# Altium PCB v1.0.PcbDoc (part 1 of 2) (continued)
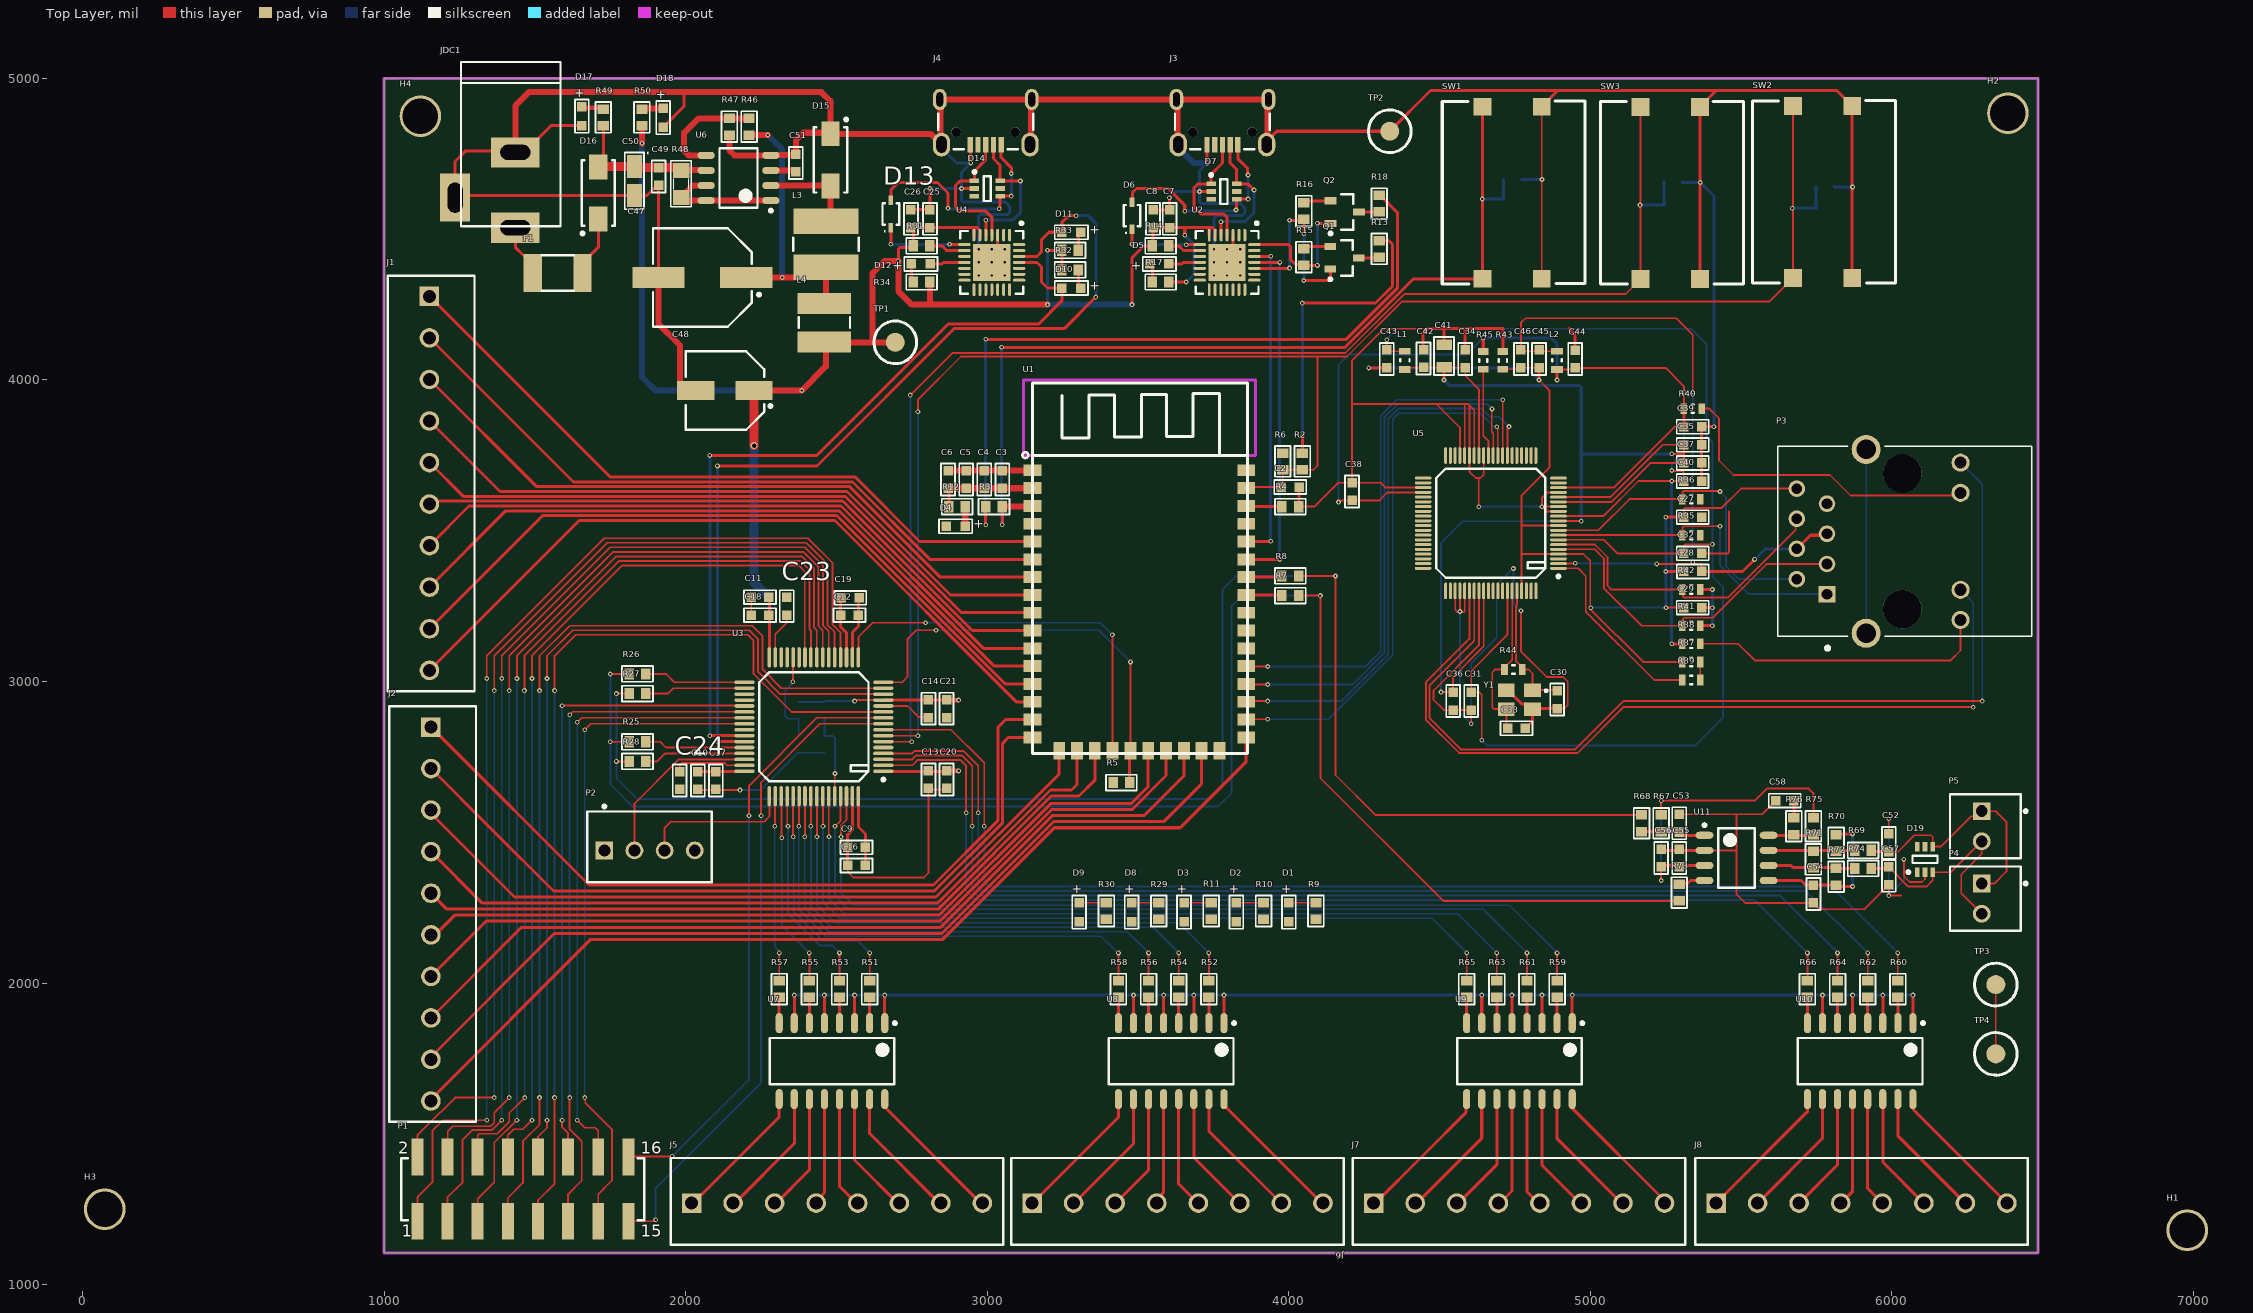
[diagram p0: Top Layer view]
## Components (designator, comment, footprint, x,y, rotation, side; value= is the part's Value field where it differs from the comment) (continued)
R75 "RESISTOR SMD" RES-SM-0603 5740,2520 r270 top value=NC
R76 "RESISTOR SMD" RES-SM-0603 5675,2520 r270 top value=10K
SW1 "Button" "BUTTON 4-PIN SMD" 4839,4335.61 r90 top
SW2 "Button" "BUTTON 4-PIN SMD" 5868.64,4337.96 r90 top
SW3 "Button" "BUTTON 4-PIN SMD" 5363.64,4335.04 r90 top
TP1 "Test point" TP 2695,4125 r0 top
TP2 "Test point" TP 4335,4825 r270 top
TP3 "Test point" TP 6345,1995 r270 top
TP4 "Test point" TP 6345,1765 r270 top
U1 "ESP-12K" CAC-150P3100X1800-41N 3858.66,2814.72 r0 top
U2 "CP2102" QFN50P500X500X90_HS-29N 3795.31,4390 r270 top
U3 "STM32F405RGT6" CQFP50P1150X1150X160-64N 2425,2850 r180 top
U4 "CP2102" QFN50P500X500X90_HS-29N 3015,4390 r270 top
U5 "W5100" CQFP40P1200X1200X160-80N 4670,3525 r180 top
U6 "MC34063AD" SOIC127P600X170-8N 2175,4670 r180 top
U7 "TLP281-4" SOIC127P700X210-16N 2485,1740.98 r270 top
U8 "TLP281-4" SOIC127P700X210-16N 3610,1740.98 r270 top
U9 "TLP281-4" SOIC127P700X210-16N 4765,1740.98 r270 top
U10 "TLP281-4" SOIC127P700X210-16N 5895,1740.98 r270 top
U11 "SN65HVD230" SOIC127P600X175-8N 5485,2415 r0 top
Y1 "25MHz" WE-XTAL_CFPX-180 4765,2940 r180 top

## Footprints (in the part's own frame and the unit in brackets; to place one, negate y for a bottom-side part, rotate by r counter-clockwise, add the part's x,y. Pads: shape width x height; smd on the part's side, far side on the other; paste and mask are expansions set on the pad)
61031621121 [mm] "Pin Header, pitch 2.54 mm, SMD, Vertical, dual row, 16p"
  rect 1x3.1 smd: 1(-8.89,-2.7) 2(-8.89,2.7) 3(-6.35,-2.7) 4(-6.35,2.7) 5(-3.81,-2.7) 6(-3.81,2.7) 7(-1.27,-2.7) 8(-1.27,2.7) 9(1.27,-2.7) 10(1.27,2.7) 11(3.81,-2.7) 12(3.81,2.7) 13(6.35,-2.7) 14(6.35,2.7) 15(8.89,-2.7) 16(8.89,2.7)
  silkscreen extent -10.24,-2.62 10.24,2.62, body extent -10.16,-3.75 10.16,3.75, height 9.62
61900211121 [mm] "2.54mm Male Locking Header, 2p"
  rect 1.5x1.5 hole 1: 1(1.27,0.3)
  round 1.5 hole 1: 2(-1.27,0.3)
  silkscreen extent -2.71,-3.52 2.71,2.98, body extent -2.54,-2.9 2.54,2.9, height 11.53
61900411121 [mm] "2.54mm Male Locking Header, 4p"
  rect 1.5x1.5 hole 1: 1(3.81,0.3)
  round 1.5 hole 1: 2(1.27,0.3) 3(-1.27,0.3) 4(-3.81,0.3)
  silkscreen extent -5.25,-3.52 5.25,2.98, body extent -5.08,-2.9 5.08,2.9, height 11.53
629105150521 [mm] "Micro USB 2.0 SMT Type B Horizontal 5 Contacts High Current"
  rect 0.45x1.3 smd: 1(-1.3,2.9) 2(-0.65,2.9) 3(0,2.9) 4(0.65,2.9) 5(1.3,2.9)
  round 0.8 hole 0.8 unplated: MH1(-2.5,1.85) MH2(2.5,1.85)
  oval 1.15x1.8 hole 0.55 slot 1.2 at 90 deg: Shell(-3.875,-0.9) Shell(3.875,-0.9)
  oval 1.45x2 hole 0.85 slot 1.4 at 90 deg: Shell(-3.725,2.9) Shell(3.725,2.9)
  silkscreen extent -4,0.3 4,3.3, body extent -4,-3.3 4,3.3, height 2.75
691243110008 [mm] "Serie 2431 - 3.50 mm_8 pins"
  rect 1.65x1.65 hole 1.1: 1(-12.25,-0.15)
  round 1.65 hole 1.1: 2(-8.75,-0.15) 3(-5.25,-0.15) 4(-1.75,-0.15) 5(1.75,-0.15) 6(5.25,-0.15) 7(8.75,-0.15) 8(12.25,-0.15)
  silkscreen extent -14,-3.65 14,3.65, body extent -14,-3.65 14,3.65, height 9.15
691243110010 [mm] "Serie 2431 - 3.50 mm_10 pins"
  rect 1.65x1.65 hole 1.1: 1(-15.75,-0.15)
  round 1.65 hole 1.1: 2(-12.25,-0.15) 3(-8.75,-0.15) 4(-5.25,-0.15) 5(-1.75,-0.15) 6(1.75,-0.15) 7(5.25,-0.15) 8(8.75,-0.15) 9(12.25,-0.15) 10(15.75,-0.15)
  silkscreen extent -17.5,-3.65 17.5,3.65, body extent -17.5,-3.65 17.5,3.65, height 9.15
"BUTTON 4-PIN SMD" [mm]
  rect 1.5x1.5 smd: 1(0,0) 1(14.5,0) 2(0,5) 2(14.5,5)
  silkscreen extent -0.43,-3.66 14.96,8.38, body extent -0.41,-3.63 14.96,8.38, height 5
CAC-150P3100X1800-41N [mm] "Chip Array, Concave, 41-Leads, Pitch 1.50mm,  Body 31.00x18.00mm,  IPC Medium Density"
  rect 1.5x1 smd: 1(-18,22.5) 2(-18,21) 3(-18,19.5) 4(-18,18) 5(-18,16.5) 6(-18,15) 7(-18,13.5) 8(-18,12) 9(-18,10.5) 10(-18,9) 11(-18,7.5) 12(-18,6) 13(-18,4.5) 14(-18,3) 15(-18,1.5) 16(-18,0) 27(0,0) 28(0,1.5) 29(0,3) 30(0,4.5) 31(0,6) 32(0,7.5) 33(0,9) 34(0,10.5) 35(0,12) 36(0,13.5) 37(0,15) 38(0,16.5) 39(0,18) 40(0,19.5) 41(0,21) 42(0,22.5)
  rect 1x1.5 smd: 17(-15.75,-1.122) 18(-14.25,-1.122) 19(-12.75,-1.122) 20(-11.25,-1.122) 21(-9.75,-1.122) 22(-8.25,-1.122) 23(-6.75,-1.122) 24(-5.25,-1.122) 25(-3.75,-1.122) 26(-2.25,-1.122)
  silkscreen extent -18.85,-1.35 0.13,29.85, body extent -17.9,-0.95 0.1,30.05, height 3.45
"CAP ALU SIZE D" [mm] "Capacitor, Aluminium Electrolytric, 6.6mm L X 6.6mm W X 5.4mm H, IPC Medium Density"
  rect 3.15x1.6 smd: 1(-2.45,0) 2(2.45,0)
  silkscreen extent -3.95,-3.3 3.3,3.3, body extent -3.9,-3.4 3.9,3.4, height 5.7
"CAP ALU SIZE F" [mm] "Capacitor, Aluminium Electrolytric, 8.3mm L X 8.3mm W X 10.2mm H, IPC Medium Density"
  rect 4.4x1.8 smd: 1(-3.7,0) 2(3.7,0)
  silkscreen extent -4.9,-4.15 4.15,4.15, body extent -4.75,-4.25 5.25,4.25, height 10.2
CAPMP3216X18N [mm] "Molded Capacitor, 2-Leads, Body 3.20x1.60mm, IPC Medium Density"
  rect 1.95x1.25 smd: 1(-1.225,0) 2(1.225,0)
  silkscreen extent -2.41,-0.81 2.39,1.18, body extent -1.92,-0.9 1.92,0.9, height 1.8
CQFP40P1200X1200X160-80N [mm] "CQFP, 80-Leads, Body 12.00x12.00mm, Pitch 0.40mm, IPC Medium Density"
  oval 1.4x0.25 smd: 1(-5.7,3.8) 2(-5.7,3.4) 3(-5.7,3) 4(-5.7,2.6) 5(-5.7,2.2) 6(-5.7,1.8) 7(-5.7,1.4) 8(-5.7,1) 9(-5.7,0.6) 10(-5.7,0.2) 11(-5.7,-0.2) 12(-5.7,-0.6) 13(-5.7,-1) 14(-5.7,-1.4) 15(-5.7,-1.8) 16(-5.7,-2.2) 17(-5.7,-2.6) 18(-5.7,-3) 19(-5.7,-3.4) 20(-5.7,-3.8) 41(5.7,-3.8) 42(5.7,-3.4) 43(5.7,-3) 44(5.7,-2.6) 45(5.7,-2.2) 46(5.7,-1.8) 47(5.7,-1.4) 48(5.7,-1) 49(5.7,-0.6) 50(5.7,-0.2) 51(5.7,0.2) 52(5.7,0.6) 53(5.7,1) 54(5.7,1.4) 55(5.7,1.8) 56(5.7,2.2) 57(5.7,2.6) 58(5.7,3) 59(5.7,3.4) 60(5.7,3.8)
  oval 0.25x1.4 smd: 21(-3.8,-5.7) 22(-3.4,-5.7) 23(-3,-5.7) 24(-2.6,-5.7) 25(-2.2,-5.7) 26(-1.8,-5.7) 27(-1.4,-5.7) 28(-1,-5.7) 29(-0.6,-5.7) 30(-0.2,-5.7) 31(0.2,-5.7) 32(0.6,-5.7) 33(1,-5.7) 34(1.4,-5.7) 35(1.8,-5.7) 36(2.2,-5.7) 37(2.6,-5.7) 38(3,-5.7) 39(3.4,-5.7) 40(3.8,-5.7) 61(3.8,5.7) 62(3.4,5.7) 63(3,5.7) 64(2.6,5.7) 65(2.2,5.7) 66(1.8,5.7) 67(1.4,5.7) 68(1,5.7) 69(0.6,5.7) 70(0.2,5.7) 71(-0.2,5.7) 72(-0.6,5.7) 73(-1,5.7) 74(-1.4,5.7) 75(-1.8,5.7) 76(-2.2,5.7) 77(-2.6,5.7) 78(-3,5.7) 79(-3.4,5.7) 80(-3.8,5.7)
  silkscreen extent -5.82,-4.6 4.6,4.6, body extent -6,-6 6,6, height 1.55
CQFP50P1150X1150X160-64N [mm] "CQFP, 64-Leads, Body 11.50x11.50mm, Pitch 0.50mm, IPC Medium Density"
  oval 1.7x0.3 smd: 1(-5.85,3.75) 2(-5.85,3.25) 3(-5.85,2.75) 4(-5.85,2.25) 5(-5.85,1.75) 6(-5.85,1.25) 7(-5.85,0.75) 8(-5.85,0.25) 9(-5.85,-0.25) 10(-5.85,-0.75) 11(-5.85,-1.25) 12(-5.85,-1.75) 13(-5.85,-2.25) 14(-5.85,-2.75) 15(-5.85,-3.25) 16(-5.85,-3.75) 33(5.85,-3.75) 34(5.85,-3.25) 35(5.85,-2.75) 36(5.85,-2.25) 37(5.85,-1.75) 38(5.85,-1.25) 39(5.85,-0.75) 40(5.85,-0.25) 41(5.85,0.25) 42(5.85,0.75) 43(5.85,1.25) 44(5.85,1.75) 45(5.85,2.25) 46(5.85,2.75) 47(5.85,3.25) 48(5.85,3.75)
  oval 0.3x1.7 smd: 17(-3.75,-5.85) 18(-3.25,-5.85) 19(-2.75,-5.85) 20(-2.25,-5.85) 21(-1.75,-5.85) 22(-1.25,-5.85) 23(-0.75,-5.85) 24(-0.25,-5.85) 25(0.25,-5.85) 26(0.75,-5.85) 27(1.25,-5.85) 28(1.75,-5.85) 29(2.25,-5.85) 30(2.75,-5.85) 31(3.25,-5.85) 32(3.75,-5.85) 49(3.75,5.85) 50(3.25,5.85) 51(2.75,5.85) 52(2.25,5.85) 53(1.75,5.85) 54(1.25,5.85) 55(0.75,5.85) 56(0.25,5.85) 57(-0.25,5.85) 58(-0.75,5.85) 59(-1.25,5.85) 60(-1.75,5.85) 61(-2.25,5.85) 62(-2.75,5.85) 63(-3.25,5.85) 64(-3.75,5.85)
  silkscreen extent -5.98,-4.6 4.6,4.6, body extent -6.35,-6.35 6.35,6.35, height 1.53
DC-IN [mil] "Jac DC input"
  rect 100x160 hole 50 slot 100 at 90 deg: 1(125,100) 2(-125,100)
  rect 160x100 hole 50 slot 100 at 0 deg: 3(25,-100)
  silkscreen extent -425,-80 120,250, body extent -410,-105 134,269, height 434
"FUSE SMD" [mm] "SMD FUSE"
  rect 1.55x3.21 smd: 1(-2.1,0) 2(2.1,0)
  silkscreen extent -1.35,-1.5 1.35,1.51, body extent -2.37,-1.71 2.36,1.71, height 0.75
HANRUN_HR911105A [mm]
  rect 1.398x1.398 / inner round 1.398 / far side rect 1.398x1.398 hole 0.89: 1(4.45,-6.35)
  round 1.398 hole 0.89: 2(3.18,-8.89) 3(1.91,-6.35) 4(0.64,-8.89) 5(-0.63,-6.35) 6(-1.9,-8.89) 7(-3.17,-6.35) 8(-4.44,-8.89)
  round 1.53 hole 1.02: 9(6.625,4.9) 10(4.085,4.9) 11(-4.085,4.9) 12(-6.625,4.9)
  round 2.445 hole 1.63: Shell(-7.745,-3.05) Shell(7.745,-3.05)
  round 3.25 hole 3.25 unplated: ""(-5.715,0) ""(5.715,0)
  silkscreen extent -8,-10.48 9.15,10.92, body extent -8.02,-10.38 8.02,10.92, height 13.5
I0603 [mm] "Chip Inductor, 2-Leads, Body 1.55x0.85mm, IPC Medium Density"
  rect 0.57x0.99 smd: 1(-0.77,0) 2(0.77,0)
  silkscreen extent -0.1,-0.4 0.1,0.4, body extent -0.77,-0.43 0.77,0.43, height 0.45
"LO KHOAN 3MM" [mil]
  round 138 hole 118.1: 1(0,0)
QFN50P500X500X90_HS-29N [mm] "QFN, 28-Leads, Body 5.00x5.00mm, Pitch 0.50mm, Thermal Pad 3.13x3.13mm, IPC Medium Density"
  oval 1.05x0.25 smd: 1(-2.3,1.5) 2(-2.3,1) 3(-2.3,0.5) 4(-2.3,0) 5(-2.3,-0.5) 6(-2.3,-1) 7(-2.3,-1.5) 15(2.3,-1.5) 16(2.3,-1) 17(2.3,-0.5) 18(2.3,0) 19(2.3,0.5) 20(2.3,1) 21(2.3,1.5)
  oval 0.25x1.05 smd: 8(-1.5,-2.3) 9(-1,-2.3) 10(-0.5,-2.3) 11(0,-2.3) 12(0.5,-2.3) 13(1,-2.3) 14(1.5,-2.3) 22(1.5,2.3) 23(1,2.3) 24(0.5,2.3) 25(0,2.3) 26(-0.5,2.3) 27(-1,2.3) 28(-1.5,2.3)
  rect 3.13x3.13 smd: 29(0,0)
  silkscreen extent -3.42,-2.65 2.65,2.65, body extent -2.52,-2.52 2.52,2.52, height 0.9
R0603 [mm] "Chip Resistor, 2-Leads, Body 1.55x0.85mm, IPC Medium Density"
  rect 0.55x0.9 smd: 1(-0.75,0) 2(0.75,0)
  silkscreen extent -0.1,-0.35 0.1,0.35, body extent -0.77,-0.43 0.77,0.43, height 0.45
RES-SM-0603 [mm]
  rect 0.8x0.95 smd: 1(-0.7,0) 2(0.7,0)
  silkscreen extent -1.3,-0.66 1.3,0.66, body extent -0.8,-0.4 0.8,0.4, height 0.3
RES-SM-0805 [mil]
  rect 50x55 smd: 1(-45,0) 2(45,0)
  silkscreen extent -77,-34 76,33, body extent -39,-25 39,25, height 31
SODFL250X90-2N [mm] "SODFL, 2-Leads, Body 1.25x2.50mm, IPC Medium Density"
  rect 0.8x0.4 smd: 1(-1.15,0) 2(1.15,0)
  silkscreen extent -1.5,-0.7 0.9,0.7, body extent -1.25,-0.67 1.25,0.67, height 0.9
SOIC127P600X170-8N [mm] "SOIC, 8-Leads, Body 4.91x3.90mm, Pitch 1.27mm, IPC Medium Density"
  oval 1.45x0.6 smd: 1(-2.725,1.905) 2(-2.725,0.635) 3(-2.725,-0.635) 4(-2.725,-1.905) 5(2.725,-1.905) 6(2.725,-0.635) 7(2.725,0.635) 8(2.725,1.905)
  silkscreen extent -2.85,-2.5 1.6,2.88, body extent -3,-2.5 3,2.5, height 1.7
SOIC127P600X175-8N [mm] "SOIC, 8-Leads, Body 4.91x3.85mm, Pitch 1.27mm, IPC Medium Density"
  oval 1.5x0.6 smd: 1(-2.7,1.905) 2(-2.7,0.635) 3(-2.7,-0.635) 4(-2.7,-1.905) 5(2.7,-1.905) 6(2.7,-0.635) 7(2.7,0.635) 8(2.7,1.905)
  silkscreen extent -2.82,-2.5 1.55,2.88, body extent -3,-2.5 3,2.5, height 1.75
SOIC127P700X210-16N [mm] "SOIC, 16-Leads, Body 10.30x4.40mm, Pitch 1.27mm, IPC Medium Density"
  oval 1.7x0.6 smd: 1(-3.2,4.445) 2(-3.2,3.175) 3(-3.2,1.905) 4(-3.2,0.635) 5(-3.2,-0.635) 6(-3.2,-1.905) 7(-3.2,-3.175) 8(-3.2,-4.445) 9(3.2,-4.445) 10(3.2,-3.175) 11(3.2,-1.905) 12(3.2,-0.635) 13(3.2,0.635) 14(3.2,1.905) 15(3.2,3.175) 16(3.2,4.445)
  silkscreen extent -3.32,-5.25 1.95,5.42, body extent -3.5,-5.25 3.5,5.25, height 2.1
SOT65P210X110-6N [mm] "SOT23, 6-Leads, Body 2.00x2.10mm, Pitch 0.65mm, IPC Medium Density"
  rect 0.8x0.4 smd: 1(-1.075,0.65) 2(-1.075,0) 3(-1.075,-0.65) 4(1.075,-0.65) 5(1.075,0) 6(1.075,0.65)
  silkscreen extent -1.2,-1.05 0.3,1.52, body extent -1.05,-1.05 1.05,1.05, height 1.1
SOT95P245X110-3N [mm] "SOT23, 3-Leads, Body 2.90x2.45mm, Pitch 0.95mm, IPC Medium Density"
  rect 1x0.6 smd: 1(-1.2,-0.95) 2(-1.2,0.95) 3(1.2,0)
  silkscreen extent -1.32,-1.92 0.7,1.5, body extent -1.3,-1.5 1.3,1.5, height 1.1
SS34 [mm] "DO-214-AC/SMA Molded Diode, Body 5.3x2.6mm, IPC Medium Density"
  rect 2.1x1.55 smd: 1(-2.2,0) 2(2.2,0)
  silkscreen extent -3.52,-1.4 2.75,1.45, body extent -2.75,-1.4 2.75,1.4, height 2.3
TP [mm]
  round 1.6 smd: 1(0,0)
  silkscreen extent -1.8,-1.8 1.8,1.8
WCAP-CSGP_0603_H=0.8mm_Reflow [mm] "Ceramic Capacitors, body 1.6x0.8mm"
  rect 0.8x0.8 smd: 1(-0.75,0) 2(0.75,0)
  silkscreen extent -1.34,-0.58 1.35,0.58, body extent -0.8,-0.4 0.8,0.4, height 0.8
WCAP-CSGP_0805_H=1.25mm [mm] "Ceramic Capacitors, body 2x1.25mm"
  rect 0.9x1.3 smd: 1(-0.95,0) 2(0.95,0)
  silkscreen extent -1.6,-0.84 1.6,0.84, body extent -1,-0.62 1,0.63, height 1.25
WE-PD2A_4532 [mm] "SMD Power Inductor, body 4.5x4mm"
  rect 1.75x4.5 smd: 1(-1.625,0) 2(1.625,0)
  silkscreen extent -0.45,-2.15 0.45,2.15, body extent -2.16,-2 2.16,2, height 3.2
WE-PD2A_5848 [mm] "SMD Power Inductor, body 5.8x5.2mm"
  rect 2.15x5.5 smd: 1(-1.925,0) 2(1.925,0)
  silkscreen extent -0.55,-2.75 0.55,2.75, body extent -2.9,-2.6 2.89,2.6, height 4.5
WE-XTAL_CFPX-180 [mm] "Quartz Crystal, size CFPX-180, body 3.4x2.7mm"
  rect 1.4x1.15 smd: 1(-1.1,-0.8) 2(1.1,-0.8) 3(1.1,0.8) 4(-1.1,0.8)
  silkscreen extent -2.35,-0.85 -2.15,-0.65, body extent -1.7,-1.35 1.7,1.35, height 0.65
WL-SMCW_0603_H=0.7mm [mm] "SMD Mono-color Chip LED, body 1.6x0.8mm"
  rect 0.8x0.8 smd: 1(-0.8,0) 2(0.8,0)
  silkscreen extent -1.4,-0.58 1.4,0.58, body extent -0.8,-0.4 0.8,0.4, height 0.7

## Part data
C1 C3 C4 C5 C9 C10 C11 C12 C13 C14 C15 C22 C23 C24: library part 885012206095, "WCAP-CSGP Multilayer Ceramic Chip Capacitor, General Purpose, size 0603, X7R, 100nF, 50V", Capacitance=100nF, Capacitance Tolerance=+/-10%, Isolation Resistance=>=5GOhm, Manufacturer="Wurth Elektronik", Operating Temperature="-55 to +125degC", Rated Voltage=50VDC, Ceramic Type=X7R, ComponentLink1Description=Manufacturer, ComponentLink1URL=http://www.we-online.de, ComponentLink2Description=Datasheet, ComponentLink2URL=https://www.we-online.com/catalog/datasheet/885012206095.pdf, Dissipation Factor=#NAME?, Height=0.8mm, Manufacturer Part Number=885012206095, Mounting Technology=SMT, Packaging="Tape and Reel", Published Date="May 2020", Size=0603, Technical Reference=X7R0603104K050DFCT10000
C2: library part 885012106017, "WCAP-CSGP Multilayer Ceramic Chip Capacitor, General Purpose, size 0603, X5R, 1uF, 16V", Capacitance=1uF, Capacitance Tolerance=+/-20%, Isolation Resistance=>=0.1GOhm, Manufacturer="Wurth Elektronik", Operating Temperature="-55 to +85degC", Rated Voltage=16VDC, Ceramic Type=X5R, ComponentLink1Description=Manufacturer, ComponentLink1URL=http://www.we-online.de, ComponentLink2Description=Datasheet, ComponentLink2URL=https://www.we-online.com/catalog/datasheet/885012106017.pdf, Dissipation Factor=#NAME?, Height=0.8mm, Manufacturer Part Number=885012106017, Mounting Technology=SMT, Packaging="Tape and Reel", Published Date="May 2020", Size=0603, Technical Reference=X5R0603105M016DFCT10000
C6 C16 C17 C18 C19 C20 C21 C56 C58: library part 885012206089, "WCAP-CSGP Multilayer Ceramic Chip Capacitor, General Purpose, size 0603, X7R, 10nF, 50V", Capacitance=10nF, Capacitance Tolerance=+/-10%, Isolation Resistance=>=10GOhm, Manufacturer="Wurth Elektronik", Operating Temperature="-55 to +125degC", Rated Voltage=50VDC, Ceramic Type=X7R, ComponentLink1Description=Manufacturer, ComponentLink1URL=http://www.we-online.de, ComponentLink2Description=Datasheet, ComponentLink2URL=https://www.we-online.com/catalog/datasheet/885012206089.pdf, Dissipation Factor=#NAME?, Height=0.8mm, Manufacturer Part Number=885012206089, Mounting Technology=SMT, Packaging="Tape and Reel", Published Date="May 2020", Size=0603, Technical Reference=X7R0603103K050DFCT10000
C7 C25 C42 C43 C44 C45: library part 885012106006, "WCAP-CSGP Multilayer Ceramic Chip Capacitor, General Purpose, size 0603, X5R, 10uF, 6.3V", Capacitance=10uF, Capacitance Tolerance=+/-20%, Isolation Resistance=>=0.01GOhm, Manufacturer="Wurth Elektronik", Operating Temperature="-55 to +85degC", Rated Voltage=6.3VDC, Ceramic Type=X5R, ComponentLink1Description=Manufacturer, ComponentLink1URL=http://www.we-online.de, ComponentLink2Description=Datasheet, ComponentLink2URL=https://www.we-online.com/catalog/datasheet/885012106006.pdf, Dissipation Factor=#NAME?, Height=0.8mm, Manufacturer Part Number=885012106006, Mounting Technology=SMT, Packaging="Tape and Reel", Published Date="May 2020", Size=0603, Technical Reference=X5R0603106M6R3DFCT10000
C8 C26: library part 885012206020, "WCAP-CSGP Multilayer Ceramic Chip Capacitor, General Purpose, size 0603, X7R, 100nF, 10V", Capacitance=100nF, Capacitance Tolerance=+/-10%, Isolation Resistance=>=5GOhm, Manufacturer="Wurth Elektronik", Operating Temperature="-55 to +125degC", Rated Voltage=10VDC, Ceramic Type=X7R, ComponentLink1Description=Manufacturer, ComponentLink1URL=http://www.we-online.de, ComponentLink2Description=Datasheet, ComponentLink2URL=https://www.we-online.com/catalog/datasheet/885012206020.pdf, Dissipation Factor=#NAME?, Height=0.8mm, Manufacturer Part Number=885012206020, Mounting Technology=SMT, Packaging="Tape and Reel", Published Date="May 2020", Size=0603, Technical Reference=X7R0603104K010DFCT10000
C27 C28 C29 C31 C32 C34 C35 C36 C37 C38 C39 C40: library part 885012206046, "WCAP-CSGP Multilayer Ceramic Chip Capacitor, General Purpose, size 0603, X7R, 100nF, 16V", Capacitance=100nF, Capacitance Tolerance=+/-10%, Isolation Resistance=>=5GOhm, Manufacturer="Wurth Elektronik", Operating Temperature="-55 to +125degC", Rated Voltage=16VDC, Ceramic Type=X7R, ComponentLink1Description=Manufacturer, ComponentLink1URL=http://www.we-online.de, ComponentLink2Description=Datasheet, ComponentLink2URL=https://www.we-online.com/catalog/datasheet/885012206046.pdf, Dissipation Factor=#NAME?, Height=0.8mm, Manufacturer Part Number=885012206046, Mounting Technology=SMT, Packaging="Tape and Reel", Published Date="May 2020", Size=0603, Technical Reference=X7R0603104K016DFCT10000
C30 C33: library part 885012006053, "WCAP-CSGP Multilayer Ceramic Chip Capacitor, General Purpose, size 0603, NP0, 22pF, 50V", Capacitance=22pF, Capacitance Tolerance=+/-5%, Isolation Resistance=>=10GOhm, Manufacturer="Wurth Elektronik", Operating Temperature="-55 to +125degC", Rated Voltage=50VDC, Ceramic Type=NP0, ComponentLink1Description=Manufacturer, ComponentLink1URL=http://www.we-online.de, ComponentLink2Description=Datasheet, ComponentLink2URL=https://www.we-online.com/catalog/datasheet/885012006053.pdf, Dissipation Factor=Q>=400+20C, Height=0.8mm, Manufacturer Part Number=885012006053, Mounting Technology=SMT, Packaging="Tape and Reel", Published Date="May 2020", Size=0603, Technical Reference=NP00603220J050DFCT10000
C41: library part 885012107017, "WCAP-CSGP Multilayer Ceramic Chip Capacitor, General Purpose, size 0805, X5R, 3.3uF, 25V", Capacitance=3.3uF, Capacitance Tolerance=+/-20%, Isolation Resistance=>=0.03GOhm, Manufacturer="Wurth Elektronik", Operating Temperature="-55 to +85degC", Rated Voltage=25VDC, Ceramic Type=X5R, ComponentLink1Description=Manufacturer, ComponentLink1URL=http://www.we-online.de, ComponentLink2Description=Datasheet, ComponentLink2URL=https://www.we-online.com/catalog/datasheet/885012107017.pdf, Dissipation Factor=#NAME?, Height=1.25mm, Manufacturer Part Number=885012107017, Mounting Technology=SMT, Packaging="Tape and Reel", Published Date="May 2020", Size=0805, Technical Reference=X5R0805335M025DFCT10000
C46: library part 885012206040, "WCAP-CSGP Multilayer Ceramic Chip Capacitor, General Purpose, size 0603, X7R, 10nF, 16V", Capacitance=10nF, Capacitance Tolerance=+/-10%, Isolation Resistance=>=10GOhm, Manufacturer="Wurth Elektronik", Operating Temperature="-55 to +125degC", Rated Voltage=16VDC, Ceramic Type=X7R, ComponentLink1Description=Manufacturer, ComponentLink1URL=http://www.we-online.de, ComponentLink2Description=Datasheet, ComponentLink2URL=https://www.we-online.com/catalog/datasheet/885012206040.pdf, Dissipation Factor=#NAME?, Height=0.8mm, Manufacturer Part Number=885012206040, Mounting Technology=SMT, Packaging="Tape and Reel", Published Date="May 2020", Size=0603, Technical Reference=X7R0603103K016DFCT10000
C47 C48: "Polarized Capacitor (Radial)"
C49 C52 C53 C54 C55 C57: library part 885012206071, "WCAP-CSGP Multilayer Ceramic Chip Capacitor, General Purpose, size 0603, X7R, 100nF, 25V", Capacitance=100nF, Capacitance Tolerance=+/-10%, Isolation Resistance=>=5GOhm, Manufacturer="Wurth Elektronik", Operating Temperature="-55 to +125degC", Rated Voltage=25VDC, Ceramic Type=X7R, ComponentLink1Description=Manufacturer, ComponentLink1URL=http://www.we-online.de, ComponentLink2Description=Datasheet, ComponentLink2URL=https://www.we-online.com/catalog/datasheet/885012206071.pdf, Dissipation Factor=#NAME?, Height=0.8mm, Manufacturer Part Number=885012206071, Mounting Technology=SMT, Packaging="Tape and Reel", Published Date="May 2020", Size=0603, Technical Reference=X7R0603104K025DFCT10000
C51: library part 885012006027, "WCAP-CSGP Multilayer Ceramic Chip Capacitor, General Purpose, size 0603, NP0, 470pF, 16V", Capacitance=470pF, Capacitance Tolerance=+/-5%, Isolation Resistance=>=10GOhm, Manufacturer="Wurth Elektronik", Operating Temperature="-55 to +125degC", Rated Voltage=16VDC, Ceramic Type=NP0, ComponentLink1Description=Manufacturer, ComponentLink1URL=http://www.we-online.de, ComponentLink2Description=Datasheet, ComponentLink2URL=https://www.we-online.com/catalog/datasheet/885012006027.pdf, Dissipation Factor=Q>=1000, Height=0.8mm, Manufacturer Part Number=885012006027, Mounting Technology=SMT, Packaging="Tape and Reel", Published Date="May 2020", Size=0603, Technical Reference=NP00603471J016DFCT10000
D1 D2 D3 D9: library part 150060GS75000, "WL-SMCW SMT Mono-color Chip LED Waterclear, size 0603, Green, 3.2V, 140deg", Emitting Color=Green, Forward Voltage typ.=3.2V, Operating Temperature="-40 to +85degC", Chip Technology=InGaN, ComponentLink1Description=Manufacturer, ComponentLink1URL=http://www.we-online.de, ComponentLink2Description=Datasheet, ComponentLink2URL=https://www.we-online.com/catalog/datasheet/150060GS75000.pdf, Dominant Wavelength typ.=525nm, Luminous Intensity typ.=430mcd, Mounting Technology=SMT, Packaging="Tape and Reel", Part Number=150060GS75000, Peak Wavelength typ.=515nm, Published Date="December 2019", Publisher="Wurth Elektronik", Size=0603, Viewing Angle=140deg
D4 D8 D17 D18: library part 150060RS75000, "WL-SMCW SMT Mono-color Chip LED Waterclear, size 0603, Red, 2V, 140deg", Emitting Color=Red, Forward Voltage typ.=2V, Operating Temperature="-40 to +85degC", Chip Technology=AlInGaP, ComponentLink1Description=Manufacturer, ComponentLink1URL=http://www.we-online.de, ComponentLink2Description=Datasheet, ComponentLink2URL=https://www.we-online.com/catalog/datasheet/150060RS75000.pdf, Dominant Wavelength typ.=625nm, Luminous Intensity typ.=250mcd, Mounting Technology=SMT, Packaging="Tape and Reel", Part Number=150060RS75000, Peak Wavelength typ.=630nm, Published Date="December 2019", Publisher="Wurth Elektronik", Size=0603, Viewing Angle=140deg
D5 D10 D11 D12: library part 150060AS75000, "WL-SMCW SMT Mono-color Chip LED Waterclear, size 0603, Amber, 2V, 140deg", Emitting Color=Amber, Forward Voltage typ.=2V, Operating Temperature="-40 to +85degC", Chip Technology=AlInGaP, ComponentLink1Description=Manufacturer, ComponentLink1URL=http://www.we-online.de, ComponentLink2Description=Datasheet, ComponentLink2URL=https://www.we-online.com/catalog/datasheet/150060AS75000.pdf, Dominant Wavelength typ.=605nm, Luminous Intensity typ.=130mcd, Mounting Technology=SMT, Packaging="Tape and Reel", Part Number=150060AS75000, Peak Wavelength typ.=610nm, Published Date="December 2019", Publisher="Wurth Elektronik", Size=0603, Viewing Angle=140deg
D15 D16: "Schottky Diode", Code_JEDEC=DO-214-AA, LatestRevisionDate=17-Jul-2002, LatestRevisionNote="Re-released for DXP Platform.", PackageDescription="DO-214-AA/SMB; 2 C-Bend Leads; Body 5.3 x 3.6 mm, inc. leads (LxW)", PackageReference=SMB, Published=8-Jun-2000, Publisher="Altium Limited"
H1 H2 H3 H4: "Hole 3mm"
J1 J2: "WR-TBL Serie 2431 Horizontal Cable Entry, Rising Cage Clamp, pitch 3.5mm, 10p", Operating Temperature="-30 to +120degC", Rated Current [UL]=10A, Working Voltage [UL]=300VAC, Application="Rising Cage Clamp", Compliance="Lead free / RoHS", ComponentLink1Description=Manufacturer, ComponentLink1URL=http://www.we-online.de, ComponentLink2Description=Datasheet, ComponentLink2URL=https://katalog.we-online.de/em/datasheet/691243110010.pdf, Modularity=No, Mounting Technology=THT, Packaging=Box, Part Number=691243110010, PCB/Cable/Panel=PCB, Pin Number=10, Pitch=3.5mm, Published Date="October 2019", Publisher="Wurth Elektronik", Type=Horizontal
J3 J4: "Micro USB 2.0 Type B Receptacle WR-COM, Horizontal, SMT, with Pegs, High Current at Pin 1 & Pin 5", Contact Resistance="30 mOhm", Operating Temperature="-40 to 85 degC", Rated Current="3 A", Working Voltage="30 VAC", ComponentLink1Description=Manufacturer, ComponentLink1URL=http://www.we-online.de, ComponentLink2Description=Datasheet, ComponentLink2URL=https://katalog.we-online.de/em/datasheet/629105150521.pdf, Connector Type="Micro USB 2.0 Type B", Gender=Receptacle, Mounting Technology=SMT, Orientation=Horizontal, Packaging="Tape and Reel", Part Number=629105150521, Published Date="September 2018", Publisher="Wurth Elektronik"
J5 J6 J7 J8: "WR-TBL Serie 2431 Horizontal Cable Entry, Rising Cage Clamp, pitch 3.5mm, 8p", Operating Temperature="-30 to +120degC", Rated Current [UL]=10A, Working Voltage [UL]=300VAC, Application="Rising Cage Clamp", Compliance="Lead free / RoHS", ComponentLink1Description=Manufacturer, ComponentLink1URL=http://www.we-online.de, ComponentLink2Description=Datasheet, ComponentLink2URL=https://katalog.we-online.de/em/datasheet/691243110008.pdf, Modularity=No, Mounting Technology=THT, Packaging=Box, Part Number=691243110008, PCB/Cable/Panel=PCB, Pin Number=8, Pitch=3.5mm, Published Date="October 2019", Publisher="Wurth Elektronik", Type=Horizontal
JDC1: "Jack DC input"
L3: library part 784774222, "WE-PD2A SMT Power Inductor, size 5848, 220uH, 0.41A", DC Resistance max.=1.57Ohm, DC Resistance typ.=0.945Ohm, Inductance=220uH, Manufacturer="Wurth Elektronik", Operating Temperature="-40 to +125degC", Rated Current=0.41A, Rated Voltage=80VDC, Saturation Current=0.47A, Self Resonant Frequency=5MHz, ComponentLink1Description=Manufacturer, ComponentLink1URL=http://www.we-online.de, ComponentLink2Description=Datasheet, ComponentLink2URL=https://www.we-online.com/catalog/datasheet/784774222.pdf, Manufacturer Part Number=784774222, Mounting Technology=SMT, Packaging="Tape and Reel", Published Date="May 2020", Size=5848
L4: library part 7847730, "WE-PD2A SMT Power Inductor, size 4532, 1uH, 4A", DC Resistance max.=0.049Ohm, DC Resistance typ.=0.014Ohm, Inductance=1uH, Manufacturer="Wurth Elektronik", Operating Temperature="-40 to +125degC", Rated Current=4A, Rated Voltage=80VDC, Saturation Current=5.72A, Self Resonant Frequency=110MHz, ComponentLink1Description=Manufacturer, ComponentLink1URL=http://www.we-online.de, ComponentLink2Description=Datasheet, ComponentLink2URL=https://www.we-online.com/catalog/datasheet/7847730.pdf, Manufacturer Part Number=7847730, Mounting Technology=SMT, Packaging="Tape and Reel", Published Date="May 2020", Size=4532
P1: "WR-PHD Pin Header, SMT, pitch 2.54mm, Dual Row, Vertical, 16p", Contact Resistance=20mOhm, Manufacturer="Wurth Elektronik", Operating Temperature="-40 to +125degC", Rated Current=3A, Withstanding Voltage=500VAC, Working Voltage=250VAC, ComponentLink1Description=Manufacturer, ComponentLink1URL=http://www.we-online.de, ComponentLink2Description=Datasheet, ComponentLink2URL=https://www.we-online.com/catalog/datasheet/61031621121.pdf, Gender="Pin Header", Manufacturer Part Number=61031621121, Mounting Technology=SMT, Orientation=Vertical, Packaging="Tape and Reel", Pin Number=16, Pitch=2.54mm, Published Date="May 2020", Row Number=Dual
P2: "WR-WTB THT Male Vertical Locking Header, pitch 2.54mm, 4p", Contact Resistance=20mOhm, Operating Temperature="-40 to +105degC", Rated Current=3A, Withstanding Voltage=1000VAC, Working Voltage=250VAC, ComponentLink1Description=Manufacturer, ComponentLink1URL=http://www.we-online.de, ComponentLink2Description=Datasheet, ComponentLink2URL=https://www.we-online.com/catalog/datasheet/61900411121.pdf, Gender=Male, Mounting Technology=THT, Packaging=Bag, Part Number=61900411121, Pin Number=4, Pitch=2.54mm, Published Date="January 2020", Publisher="Wurth Elektronik", Type=Vertical
P4 P5: "WR-WTB THT Male Vertical Locking Header, pitch 2.54mm, 2p", Contact Resistance=20mOhm, Operating Temperature="-40 to +105degC", Rated Current=3A, Withstanding Voltage=1000VAC, Working Voltage=250VAC, ComponentLink1Description=Manufacturer, ComponentLink1URL=http://www.we-online.de, ComponentLink2Description=Datasheet, ComponentLink2URL=https://www.we-online.com/catalog/datasheet/61900211121.pdf, Gender=Male, Mounting Technology=THT, Packaging=Bag, Part Number=61900211121, Pin Number=2, Pitch=2.54mm, Published Date="January 2020", Publisher="Wurth Elektronik", Type=Vertical
Q1 Q2: Manufacturer="On Semiconductor", Manufacturer P/N=MMBT3904, ComponentLink1Description="Local link", ComponentLink1URL=https://www.thegioiic.com/products/mmbt3904-1am, Local supplier=thegioiic, Local supplier PN=MMBT3904-1AM
R1 R2 R3 R4 R5 R6 R7 R8 R9 R10 R11 R12 R13 R14 R15 R16 R17 R18 R19 R20 R21 R22 R23 R24 R25 R26 R27 R28 R29 R30 R31 R32 R33 R34 R46 R47 R48 R49 R50 R51 R52 R53 R54 R55 R56 R57 R58 R59 R60 R61 R62 R63 R64 R65 R66 R67 R68 R69 R70 R71 R72 R73 R74 R75 R76: "Resistor"
TP1 TP2 TP3 TP4: library part TP, ComponentLink1Description="Supplier 1 Link"
U1: "ESP32-S2"
U3: Manufacturer=ST, ComponentLink1Description="Supplier 1 Link"
U6: library part MC34063, "1.5-A boost, buck, inverting switching regulator, operation from 0°C to 70°C", Manufacturer="Texas Instruments", ComponentLink1Description="Local Supplier Link", ComponentLink1URL=https://www.thegioiic.com/products/mc34063ad-ic-dieu-chinh-tang-giam-ap-1-5a-8-soic, Local supplier=Thegioiic, Local Supplier P/N=MC34063AD, Manufacturer P/N=MC34063AD
Y1: library part 830108340809, "WE-XTAL Quartz Crystal, SMT, CFPX-180, 25MHz, +/-20ppm", Frequency Stability=+/-30ppm, Frequency Tolerance=+/-20ppm, Load Capacitance=12pF, Manufacturer="Wurth Elektronik", Operating Temperature="-40 to +105degC", ComponentLink1Description=Manufacturer, ComponentLink1URL=http://www.we-online.de, ComponentLink2Description=Datasheet, ComponentLink2URL=https://www.we-online.com/catalog/datasheet/830108340809.pdf, Frequency=25MHz, Manufacturer Part Number=830108340809, Mounting Technology=SMT, Packaging="Tape and Reel", Published Date="November 2020", Size=CFPX-180

## Via types
v1: diameter 15.75, hole 7.87, Top Layer to Bottom Layer, 214 vias
v2: diameter 19.68, hole 7.87, Top Layer to Bottom Layer, 18 vias
v3: diameter 23.62, hole 15, Top Layer to Bottom Layer, 1 vias

## Nets (pads, with @x,y where several pads share a name; then routed paths per layer and width w, separated by ;. In a path a pad name is that pad's centre, name@x,y a point inside that pad or via, vN(x,y) a via of type N, cw(c..) or ccw(c..) an arc to the next point about the centre after c; other vN are vias at no path point)
12V_LED: C49.2 C50.1 D16.2 R48.1 R49.2 U6.6 | length 512.8
  Top Layer w10: D16.2@1710.81,4707.42 1726.57,4723.18 R49.2@1726.57,4843.44
  Top Layer w20: R48.1@1983.39,4701.61 R48.1@1985,4700 ; R48.1@1985,4705 1994.31,4695.69 2067.02,4695.69 U6.6@2067.72,4695
  Top Layer w30: D16.2@1710,4706.61 1710.81,4707.42 1829.19,4707.42 C50.1@1830,4708.23 1833.23,4705 1975,4705 R48.1@1985,4695
12V_SUPPLY: F1.1 JDC1.1 | length 176.7
  Top Layer w10: JDC1.1@1435,4505 1435,4440 1461.81,4413.19 1466.81,4413.19 1492.32,4387.68 F1.1@1492.32,4355
+3.3V: C3.2 C4.2 C5.2 C6.2 C7.2 C8.2 C9.2 C10.2 C11.2 C12.2 C13.2 C14.2 C16.2 C17.2 C18.2 C19.2 C20.2 C21.2 C25.2 C26.2 C48.1 C55.1 C56.1 L4.2 P2.1 R1.2 R5.2 R6.2 R9.2 R10.2 R11.2 R12.2 R14.2 R17.2 R19.2 R20.2 R21.2 R22.2 R29.2 R30.2 R31.2 R32.2 R33.2 R34.2 R50.2 R67.2 R75.1 TP1.1 U1.2 U2.6 U2.7 U3.1 U3.13 U3.19 U3.32 U3.48 U3.64 U4.6 U4.7 U7.1 U7.3 U7.5 U7.7 U8.1 U8.3 U8.5 U8.7 U9.1 U9.3 U9.5 U9.7 U10.1 U10.3 U10.5 U10.7 U11.3 | length 13789.6
  Top Layer w6: v1(2560,2935) 2562.64,2935 2566.22,2938.58 U3.13@2655.32,2938.58 ; v1(5235,2340) C56.1@5235,2385.47 ; R67.2@5235,2557.56 v1(5235,2605) 5545,2605 5585,2645 5725,2645 5740,2630 R75.1@5740,2547.56
  Top Layer w10: C10.2@2040,2701.06 2041.3,2702.36 U3.48@2194.69,2702.36 ; C11.2@2276.06,3280 2277.36,3278.7 U3.32@2277.36,3080.31 ; U7.7@2360,1866.97 v1(2360,1960) ; U7.5@2460,1866.97 v1(2460,1960) ; C19.2@2513.94,3280 C12.2@2513.94,3220 2513.94,3181.06 2533.27,3161.73 U3.19@2533.27,3080.31 ; U7.3@2560,1866.97 v1(2560,1960) ; U3.64@2572.64,2619.68 2572.64,2517.36 2596.06,2493.94 C9.2@2596.06,2450 C16.2@2596.06,2390 ; U3.1@2655.32,2702.36 2890,2702.36 ; U3.13@2655.32,2938.58 2890,2938.58 ; U7.1@2660,1866.97 v1(2660,1960) ; v1(2705,4395) 2705,4434.14 2710.86,4440 2750,4440 R31.2@2755,4445 2755,4498.47 2747,4506.47 2808.53,4506.47 C25.2@2810,4505 2955,4505 ; C6.2@2870,3640.47 2872.44,3638.03 R12.2@2872.44,3580 ; U4.7@2955.94,4480.55 U4.7@2955.94,4480.55 2955.87,4504.13 2955,4505 ; U4.6@2975.63,4480.55 2975.63,4496.14 2966.77,4505 2955,4505 ; v1(3200,4430) R33.2@3247.44,4430 R32.2@3247.44,4365 ; v1(3480,4250) 3480,4405 3520,4445 R14.2@3547.44,4445 3550,4447.56 C8.2@3550,4505 C7.2@3605,4505 3655,4505 ; U8.7@3485,1866.97 v1(3485,1960) ; U8.5@3585,1866.97 v1(3585,1960) ; R17.2@3602.56,4325 v1(3660,4325) ; v1(3655,4480) 3655,4505 ; U8.3@3685,1866.97 v1(3685,1960) ; U2.7@3736.26,4480.55 3736.18,4480.63 3736.18,4503.82 3735,4505 ; U2.6@3755.94,4480.55 3755.94,4496.14 3747.09,4505 3735,4505 ; U8.1@3785,1866.97 v1(3785,1960) ; U9.7@4640,1866.97 v1(4640,1960) ; U9.5@4740,1866.97 v1(4740,1960) ; U9.3@4840,1866.97 v1(4840,1960) ; U9.1@4940,1866.97 v1(4940,1960) ; C56.1@5235,2385.47 5239.53,2390 U11.3@5378.7,2390 ; U10.7@5770,1866.97 v1(5770,1960) ; U10.5@5870,1866.97 v1(5870,1960) ; U10.3@5970,1866.97 v1(5970,1960) ; U10.1@6070,1866.97 v1(6070,1960) ; 3655,4505 3735,4505
  Top Layer w15: C21.2@2862.52,2937.05 2864.08,2938.61 2904.86,2938.61 v1(2905,2938.46) ; C20.2@2865,2704.53 2866.06,2703.46 v1(2905,2703.46)
  Top Layer w20: R50.2@1854.78,4843.44 1854.78,4785.22 v1(1855,4785) ; C48.1@2226.46,3965 v1(2385,3965) 2465,4045 2465,4121.02 L4.2@2461.02,4125 ; L4.2@2460,4126.02 L4.2@2461.02,4125 ; TP1.1@2695,4125 2620,4125 ; R34.2@2810,4325 2810,4250 ; C6.2@2870,3640.47 2870.51,3640.98 3149.49,3640.98 U1.2@3150,3641.5 ; v1(3200,4250) 2810,4250 ; L4.2@2461.02,4125 2620,4125 ; 2620,4125 2620,4355 2660,4395 v1(2705,4395) 2705,4295 2750,4250 2810,4250
  Top Layer w30: C48.1@2226.46,3965 2226.46,3783.1 v3(2226.85,3782.7)
  Bottom Layer w6: R22.2@2375,2931.65 2459.09,2931.65 R21.2@2460,2932.56 2462.44,2935 v1(2560,2935) ; v1(5235,2340) v1(5235,2605)
  Bottom Layer w10: v1(2360,1960) v1(6070,1960) ; v1(3200,4250) v1(3200,4430) ; v1(3655,4480) 3685,4450 3685,4350 v1(3660,4325)
  Bottom Layer w20: v1(1855,4785) 1855,4010 1900,3965 v1(2385,3965) ; v1(3200,4250) v1(3480,4250)
  Bottom Layer w30: v3(2226.85,3782.7) 2226.85,3328.15 2265,3290
BOOT0: R21.1 R23.2 U3.60 | length 289.8
  Top Layer w6: U3.60@2493.9,2619.68 2494.45,2620.24 2494.45,2694.45 v1(2495,2695)
  Bottom Layer w6: R21.1@2460,2877.44 R23.2@2460,2819.09 2489.09,2819.09 2495,2813.19 v1(2495,2695)
BOOT1: R22.1 R24.2 U3.28 | length 312.1
  Top Layer w6: v1(2355.35,2999.12) 2356.1,2999.87 U3.28@2356.1,3080.31
  Bottom Layer w6: v1(2355.35,2999.12) 2355.35,2995.35 2330,2970 2330,2885 2338.46,2876.54 R22.1@2375,2876.54 R24.2@2375,2819.09
"CHASSIC GND": P3.Shell | length 609.8
  Bottom Layer w6: P3.Shell@5914.92,3160.08 P3.Shell@5914.92,3769.92
ESP_D+: D7.1 J3.3 U2.4 | length 454.9
  Top Layer w10: J3.3@3780,4780.83 3780,4720 3742.68,4682.68 D7.1@3742.68,4650.59 3698.9,4650.59 3685,4636.69 3685,4575 3710,4550 3785,4550 3795.31,4539.69 U2.4@3795.31,4480.55
ESP_D-: D7.6 J3.2 U2.5 | length 447.6
  Top Layer w10: v1(3775,4525) 3775.55,4524.45 U2.5@3775.63,4480.55 U2.5@3775.63,4480.55 ; J3.2@3805.59,4780.83 3805.59,4719.65 3827.32,4697.91 D7.6@3827.32,4650.59 3864.41,4650.59 v1(3885,4630)
  Bottom Layer w10: v1(3775,4525) 3776.1,4526.1 3856.1,4526.1 3885,4555 v1(3885,4630)
ESP_DTR: Q2.1 R15.1 U2.28 | length 446.9
  Top Layer w10: U2.28@3885.87,4449.06 3999.14,4449.06 4005,4443.2 4005,4400 4022.16,4382.84 4047.16,4382.84 R15.1@4050,4380 v1(4095,4380) ; v1(4095,4520) 4095.2,4519.8 4138.49,4519.8 Q2.1@4138.69,4519.61
  Bottom Layer w10: v1(4095,4380) v1(4095,4520)
ESP_GPIO_0: C1.2 R1.1 R3.1 SW1.2 U1.3 | length 3145.4
  Top Layer w10: v1(3047.67,4108.48) 4186.71,4108.48 4413.84,4335.61 SW1.2@4642.15,4335.61 4642.15,4600.21 SW1.2@4642.15,4906.47 ; v1(3050,3520) R3.1@3050,3580
  Top Layer w20: R3.1@3050,3580 3051.22,3581.22 3148.78,3581.22 U1.3@3150,3582.44
  Bottom Layer w10: v1(3047.67,4108.48) 3047.67,3522.33 v1(3050,3520) ; v1(4641.87,4600.21) 4712.23,4600.21 R1.1@4712.44,4600 C1.2@4712.4,4665
ESP_GPIO_1: D3.1 U1.4
ESP_GPIO_2: J1.1 U1.5 | length 2336.8
  Top Layer w10: J1.1@1150,4277.36 1749.36,3678 2562,3678 2775.67,3464.33 U1.5@3150,3464.33
ESP_GPIO_3: J1.2 U1.6 | length 2304.2
  Top Layer w10: J1.2@1150,4139.57 1627.57,3662 2553,3662 2809.72,3405.28 U1.6@3150,3405.28
ESP_GPIO_4: J1.3 U1.7 | length 2271.5
  Top Layer w10: J1.3@1150,4001.77 1505.77,3646 2544,3646 2843.78,3346.22 U1.7@3150,3346.22
ESP_GPIO_5: J1.4 U1.8 | length 2238.9
  Top Layer w10: J1.4@1150,3863.98 1383.98,3630 2535,3630 2877.83,3287.17 U1.8@3150,3287.17
ESP_GPIO_6: J1.5 U1.9 | length 2206.3
  Top Layer w10: J1.5@1150,3726.18 1262.18,3614 2528.37,3614 2914.26,3228.11 U1.9@3150,3228.11
ESP_GPIO_7: J1.6 U1.10 | length 2181.7
  Top Layer w10: J1.6@1150,3588.39 1159.61,3598 2521.75,3598 2950.69,3169.06 U1.10@3150,3169.06
ESP_GPIO_8: J1.7 U1.11 | length 2249.9
  Top Layer w10: J1.7@1150,3450.59 1281.41,3582 2515.12,3582 2987.12,3110 U1.11@3150,3110
ESP_GPIO_9: J1.8 U1.12 | length 2318.2
  Top Layer w10: J1.8@1150,3312.8 1403.2,3566 2508.49,3566 3023.55,3050.94 U1.12@3150,3050.94
ESP_GPIO_10: J1.9 U1.13 | length 2386.5
  Top Layer w10: J1.9@1150,3175 1525,3550 2501.86,3550 3059.97,2991.89 U1.13@3150,2991.89
ESP_GPIO_11: J1.10 U1.14 | length 2454.8
  Top Layer w10: J1.10@1150,3037.2 1646.8,3534 2495.24,3534 3096.4,2932.83 U1.14@3150,2932.83
ESP_GPIO_12: J2.1 U1.15 | length 2620.5
  Top Layer w10: J2.1@1155,2848.98 1182.48,2821.5 1678.98,2325 2821.61,2325 3035,2538.39 3035,2847.56 3061.22,2873.78 U1.15@3150,2873.78
ESP_GPIO_13: J2.2 U1.16 | length 2528.6
  Top Layer w10: J2.2@1155,2711.18 1353.77,2512.41 1561.18,2305 2824.24,2305 3051,2531.76 3051,2795 3070.72,2814.72 U1.16@3150,2814.72
ESP_GPIO_14: J2.3 U1.17 | length 2455.7
  Top Layer w10: J2.3@1155,2573.39 1155,2562.37 1432.37,2285 2830,2285 3238.58,2693.58 U1.17@3238.58,2770.55
ESP_GPIO_15: J2.4 U1.18 | length 2488.3
  Top Layer w10: J2.4@1155,2435.59 1325.59,2265 2835,2265 3210,2640 3279.14,2640 3297.64,2658.5 U1.18@3297.64,2770.55
ESP_GPIO_16: J2.5 U1.19 | length 2498.8
  Top Layer w10: J2.5@1155,2297.8 1207.8,2245 2837.63,2245 3212.63,2620 3304.41,2620 3356.69,2672.29 U1.19@3356.69,2770.55
ESP_GPIO_17: U1.20 U3.17 | length 1330.6
  Top Layer w6: U3.17@2572.64,3080.31 2572.64,3147.64 2620,3195 v1(2795,3195) ; v1(3415,3155) 3415,2771.3 U1.20@3415.75,2770.55
  Bottom Layer w6: v1(2795,3195) 3375,3195 v1(3415,3155)
ESP_GPIO_18: R5.1 U1.21 U3.16 | length 1408.8
  Top Layer w6: U3.16@2655.32,2997.64 2717.64,2997.64 2735,3015 2735,3140 2765,3170 v1(2830,3170) ; U1.21@3474.8,2770.55 3475,2770.75 v1(3475,3065)
  Top Layer w10: R5.1@3472.56,2665 3472.56,2768.31 U1.21@3474.8,2770.55
  Bottom Layer w6: v1(2830,3170) 3370,3170 v1(3475,3065)
ESP_GPIO_19: J2.6 U1.22 | length 2701.4
  Top Layer w10: J2.6@1155,2160 1169.4,2160 1234.4,2225 2840.25,2225 3210.25,2595 3477.12,2595 3533.86,2651.74 U1.22@3533.86,2770.55
ESP_GPIO_20: J2.7 U1.23 | length 2796.1
  Top Layer w10: J2.7@1155,2022.2 1337.8,2205 2842.88,2205 3212.88,2575 3479.75,2575 3592.91,2688.17 U1.23@3592.91,2770.55
ESP_GPIO_21: J2.8 U1.24 | length 2913
  Top Layer w10: J2.8@1155,1884.41 1455.59,2185 2845.51,2185 3215.51,2555 3520,2555 3651.97,2686.97 U1.24@3651.97,2770.55
ESP_GPIO_26: J2.9 U1.25 | length 3049.2
  Top Layer w10: J2.9@1155,1746.61 1155,1755 1565,2165 2850,2165 3220,2535 3585,2535 3711.02,2661.02 U1.25@3711.02,2770.55
ESP_GPIO_33: J2.10 U1.27 | length 3254.3
  Top Layer w10: J2.10@1155,1608.82 1155,1615 1685,2145 2852.63,2145 3222.63,2515 3640,2515 3858.66,2733.66 U1.27@3858.66,2814.72
ESP_GPIO_34: U1.28 U5.29 | length 1825.4
  Top Layer w6: U1.28@3858.66,2873.78 3859.88,2875 v1(3930,2875) ; v1(4690,3845) 4692.89,3842.11 4692.89,3750.14 U5.29@4693.62,3749.41
  Bottom Layer w6: v1(3930,2875) 4130.91,2875 4345,3089.09 4345,3870 4365,3890 4635,3890 4679.07,3845.93 4689.07,3845.93 v1(4690,3845)
ESP_GPIO_35: U1.29 U5.27 | length 1854.8
  Top Layer w6: U1.29@3858.66,2932.83 3860.83,2935 v1(3930,2935) ; U5.27@4725.12,3749.41 4725.84,3750.13 4725.84,3840.84 v1(4730.42,3845.42)
  Bottom Layer w6: v1(3930,2935) 4173.94,2935 4330,3091.06 4330,3871.97 4363.03,3905 4640,3905 4666.87,3878.13 4696.87,3878.13 4729.58,3845.42 v1(4730.42,3845.42)
ESP_GPIO_36: U1.30 U5.30 | length 1822.5
  Top Layer w6: U1.30@3858.66,2991.89 3860.55,2990 v1(3930,2990) ; v1(4674.06,3904.06) 4673.13,3903.13 4673.13,3827.7 4677.87,3822.95 U5.30@4677.87,3749.41
  Bottom Layer w6: v1(3930,2990) 4211.97,2990 4317,3095.03 4317,3875.94 4361.06,3920 4658.13,3920 v1(4674.06,3904.06)